# Allegro board pc065c_fibv2_toplevel_28.brd (continued)
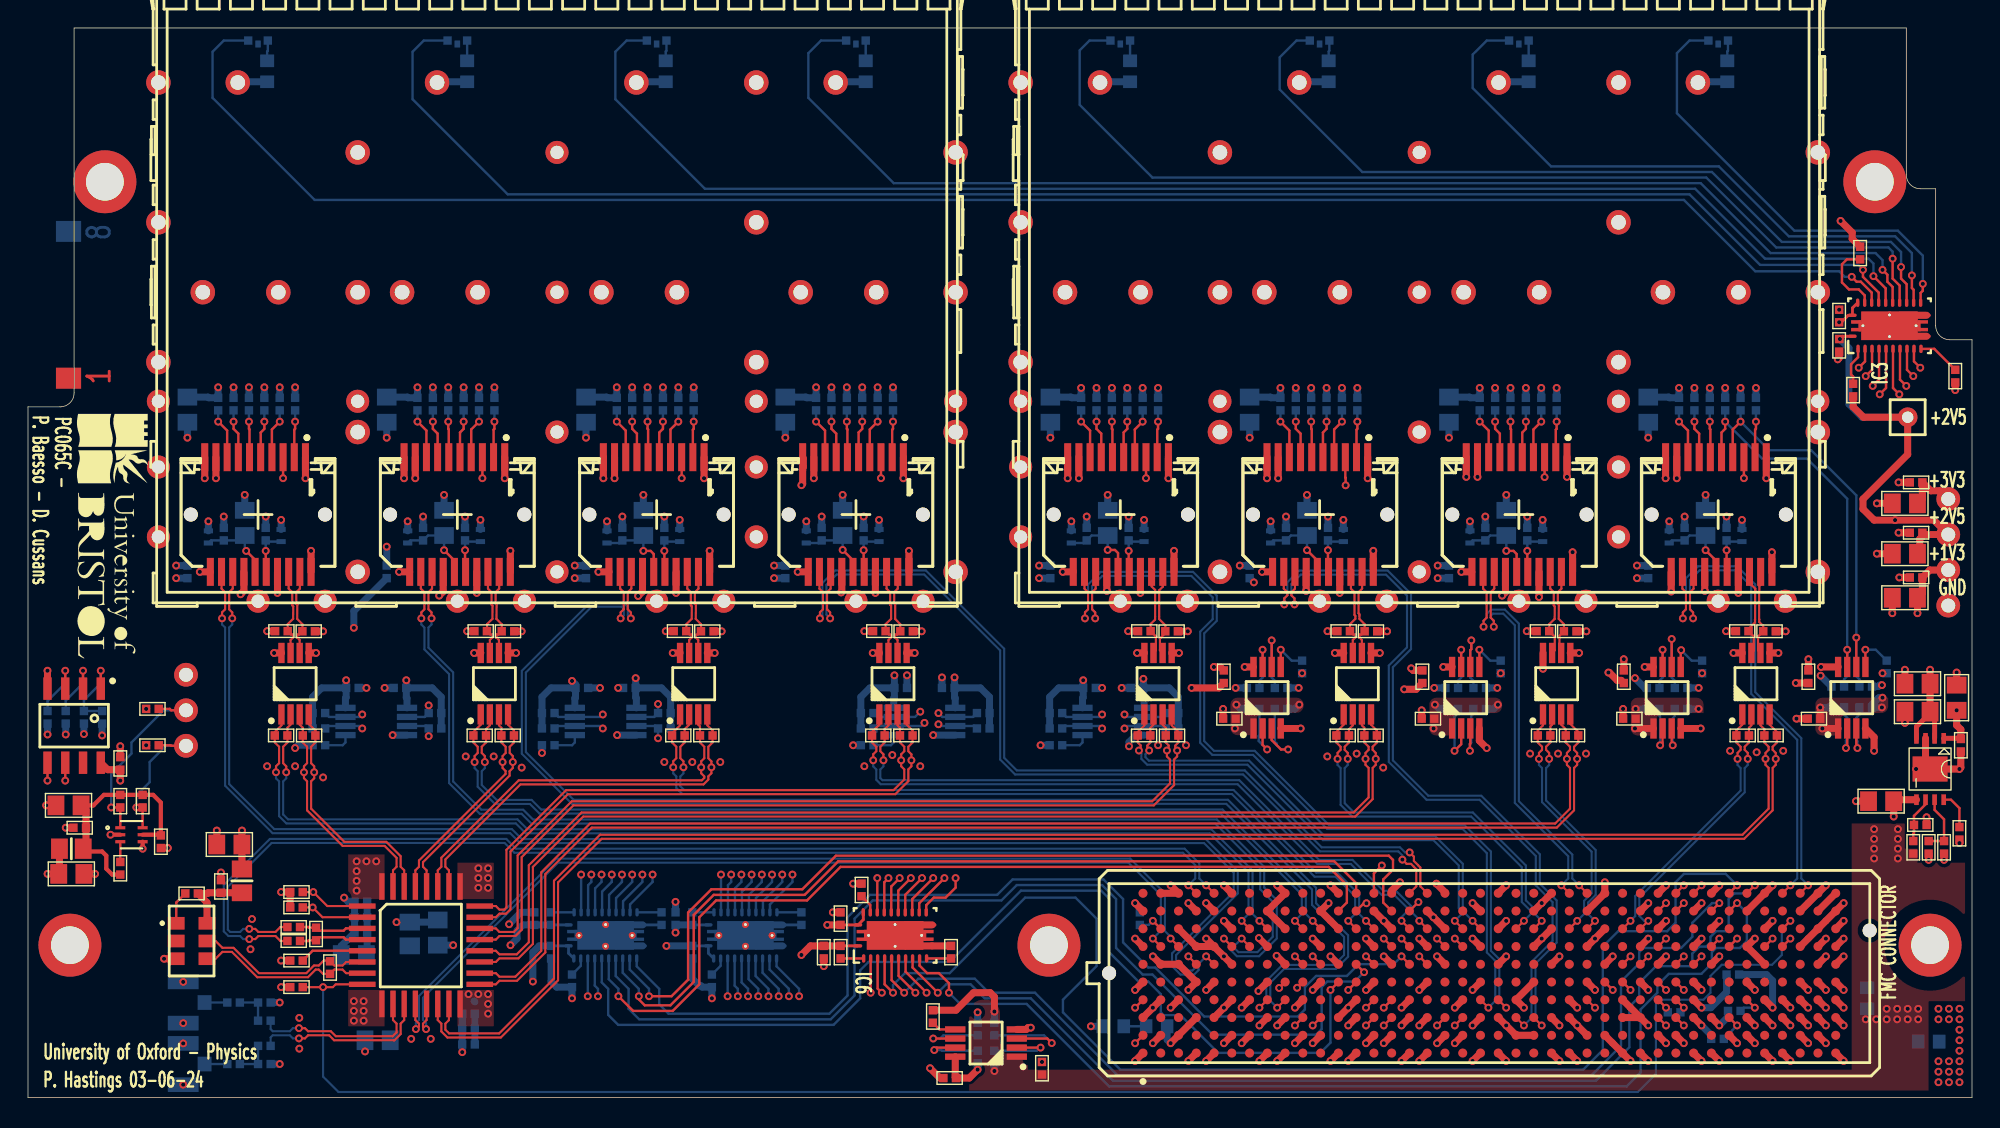
[diagram p0: board, top side]
## Routing (per net, layer and track width the routed paths; a pad name or vN(x,y) marks a point on that pad's centre or on a via; arc(x,y) is an arc through that point) (continued)
SFP_TD_P_1: length 6.4
  TOP w0.15: J12.18 32.89,36.4 33.15,36.14 33.15,35.26 33.22,35.18 33.21,34.24 32.83,33.86 R34.1 33.06,33.12 33.2,33.12 33.2,32.91 33.02,32.73 U4.7
SFP_TD_P_2: length 6.4
  TOP w0.15: U5.7 47.27,32.73 47.45,32.91 47.45,33.12 47.31,33.12 R42.1 47.08,33.86 47.46,34.24 47.47,35.14 47.4,35.21 47.4,36.14 47.14,36.4 J16.18
SFP_TD_P_3: length 6.4
  TOP w0.15: J20.18 61.39,36.4 61.65,36.14 61.65,35.24 61.71,35.18 61.71,34.24 61.71,34.24 61.33,33.86 R50.1 61.56,33.12 61.7,33.12 61.7,32.91 61.52,32.73 U6.7
SFP_TD_P_4: length 6.4
  TOP w0.15: U7.7 123.39,31.96 123.39,32.99 R99.1 123.02,33.53 123.48,33.97 123.48,34.19 123.49,34.2 123.49,36.2 123.5,36.22 123.5,36.4 123.09,36.81 J24.18
SFP_TD_P_5: length 6.3
  TOP w0.15: U8.7 109.17,31.99 109.17,32.97 R107.1 108.78,33.86 109.16,34.24 109.16,34.24 109.17,35.12 109.09,35.2 109.09,36.14 108.84,36.4 J28.18
SFP_TD_P_6: length 6.4
  TOP w0.15: U9.7 94.72,32.73 94.91,32.91 94.91,33.12 94.76,33.12 R115.1 94.53,33.86 94.91,34.24 94.91,34.45 94.84,34.52 94.84,36.14 94.59,36.4 J32.18
SFP_TD_P_7: length 6.3
  TOP w0.15: U10.7 80.64,31.97 80.64,32.95 80.6,32.99 80.6,33.03 R123.1 80.28,33.88 80.59,34.19 80.59,34.4 80.59,36.31 80.34,36.56 J36.18
SFP_TX_DISABLE<0>: length 67.7
  TOP w0.17: IC6.21 v1(60.73,15.7) ; J7.3 v1(18.24,44.3)
  L6_SIG w0.17: v1(18.24,44.3) 18.24,42.36 18.8,41.8 18.8,27.7 28,18.5 57.92,18.5 v1(60.73,15.7)
SFP_TX_DISABLE<1>: length 54.6
  TOP w0.17: J12.3 v1(32.49,44.3) ; IC6.20 61.23,15.4 v1(61.52,15.7)
  L6_SIG w0.17: v1(61.52,15.7) 55.83,21.4 38.9,21.4 33.4,26.9 33.4,42.7 32.49,43.61 v1(32.49,44.3)
SFP_TX_DISABLE<2>: length 39.3
  TOP w0.17: J16.3 v1(46.74,44.3) ; v1(62.33,15.7) 61.73,15.1 IC6.19
  L6_SIG w0.17: v1(46.74,44.3) 47.2,43.84 47.2,30.82 v1(62.33,15.7)
SFP_TX_DISABLE<3>: length 37.9
  TOP w0.17: v1(63.12,15.7) 62.23,14.8 IC6.18 ; J20.3 v1(60.99,44.3)
  L6_SIG w0.17: v1(60.99,44.3) 60.99,42.51 64.6,38.9 64.6,37.3 66,35.9 66,32.6 68.1,30.5 68.1,24.2 63.12,19.23 v1(63.12,15.7)
SFP_TX_DISABLE<4>: length 46.4
  TOP w0.17: IC6.17 62.73,14.5 v1(63.92,15.7) ; J36.3 v1(79.94,44.3)
  L6_SIG w0.17: v1(63.92,15.7) 63.92,19.23 68.3,23.6 76.6,23.6 77.6,24.6 77.6,31.3 80.2,33.9 80.2,36.5 78,38.7 78,42.36 v1(79.94,44.3)
SFP_TX_DISABLE<5>: length 58.5
  TOP w0.17: v1(64.72,15.7) 63.23,14.2 IC6.16 ; v1(94.21,43.79) 94.21,44.33 94.19,44.35 J32.3
  L6_SIG w0.17: v1(64.72,15.7) 64.72,19.12 68.8,23.2 89.7,23.2 95.2,28.7 95.2,41.1 94.21,42.09 v1(94.21,43.79)
SFP_TX_DISABLE<6>: length 68.7
  TOP w0.17: v1(65.53,15.7) 63.73,13.9 IC6.15 ; J28.3 v1(108.44,44.38)
  L6_SIG w0.17: v1(65.53,15.7) 65.53,18.93 69.4,22.8 89.9,22.8 97.1,30 104.1,30 105.8,31.7 107.1,31.7 109.4,34 109.4,42.4 108.44,43.36 v1(108.44,44.38)
SFP_TX_DISABLE<7>: length 84.4
  TOP w0.17: IC6.14 64.22,13.76 64.76,14.3 65.61,14.3 66.33,15.02 v1(66.33,15.7) ; J24.3 v1(122.69,44.3)
  L6_SIG w0.17: v1(66.33,15.7) 66.33,18.82 69.9,22.4 90.1,22.4 95.5,27.8 98.4,27.8 99.3,28.7 115.3,28.7 117.5,30.9 123.1,30.9 123.8,31.6 123.8,42.1 122.69,43.21 v1(122.69,44.3)
SFP_TX_DISABLE_FPGA<0>: length 82.3
  TOP w0.17: 117.83,9.54 v1(118.39,10.1) ; IC6.3 v1(60.25,7.5)
  L6_SIG w0.17: v1(118.39,10.1) 118.39,11.2 117.59,12 110.5,12 108.9,10.4 108.9,3.6 106.9,1.6 86.8,1.6 84.9,3.5 84.9,10.3 84.4,10.8 78.5,10.8 78,10.3 76.8,10.3 76.1,9.6 76.1,8.2 75.15,7.25 68.15,7.25 66.9,6 61.75,6 v1(60.25,7.5)
SFP_TX_DISABLE_FPGA<1>: length 90
  TOP w0.17: v1(61.05,7.5) 60.75,7.8 IC6.4 ; 116.56,8.27 v1(117.12,7.7)
  L6_SIG w0.17: v1(61.05,7.5) 62.15,6.4 66.7,6.4 68.3,8 75.3,8 75.7,8.4 75.7,10 76.5,10.8 77.8,10.8 79.1,12.1 85.6,12.1 86.2,11.5 86.2,3.6 87.8,2 106.2,2 107.6,3.4 107.6,12.9 108,13.3 118,13.3 119.1,12.2 119.1,9.68 v1(117.12,7.7)
SFP_TX_DISABLE_FPGA<2>: length 91.6
  TOP w0.17: IC6.5 61.25,8.1 v1(61.85,7.5) ; 121.64,14.62 v1(122.2,15.18)
  BOTTOM w0.17: v1(122.2,15.18) 121.38,16 118.4,16 117.8,15.4 117.8,12.5 117.2,11.9 113.7,11.9 112.6,10.8 112.6,3.4 111.2,2 78.1,2 74,6.1 74,7 76.4,9.4 76.4,12.8 74.9,14.3 71.3,14.3 65.9,8.9 62.7,8.9 61.85,8.05 v1(61.85,7.5)
SFP_TX_DISABLE_FPGA<3>: length 74
  TOP w0.17: v1(62.65,7.5) 61.75,8.4 IC6.6 ; J2.J33 v1(120.93,13.91)
  BOTTOM w0.17: v1(62.65,7.5) 63.65,8.5 67.7,8.5 68.7,7.5 72,7.5 77.9,1.6 111.8,1.6 113.9,3.7 113.9,8.3 115.2,9.6 115.2,10.4 115.5,10.7 118.2,10.7 119,11.5 119,12.5 120.41,13.91 v1(120.93,13.91)
SFP_TX_DISABLE_FPGA<4>: length 88.7
  TOP w0.17: v1(63.45,7.5) 62.25,8.7 IC6.7 ; 119.09,9.54 v1(119.66,10.1)
  L6_SIG w0.17: v1(119.66,10.1) 120.3,10.74 120.3,14.1 119.8,14.6 107.7,14.6 106.4,13.3 106.4,4.7 105,3.3 89,3.3 87.4,4.9 87.4,13.4 86.3,14.5 72.7,14.5 68.7,10.5 68.7,9 66.6,6.9 64.05,6.9 v1(63.45,7.5)
SFP_TX_DISABLE_FPGA<5>: length 94.9
  TOP w0.17: IC6.8 62.75,9 v1(64.25,7.5) ; J2.E31 v1(118.39,7.7)
  L6_SIG w0.17: v1(118.39,7.7) 119.79,9.1 121,9.1 121.6,9.7 121.6,15.5 121.1,16 107.6,16 105,13.4 105,6.1 103.5,4.6 89.1,4.6 88.7,5 88.7,14.63 87.43,15.9 73.53,15.9 68.3,10.67 68.3,9.2 67.2,8.1 64.85,8.1 v1(64.25,7.5)
SFP_TX_DISABLE_FPGA<6>: length 75.5
  TOP w0.17: 122.91,14.62 v1(123.47,15.18) ; IC6.9 63.25,9.3 v1(65.05,7.5)
  BOTTOM w0.17: v1(123.47,15.18) 122.89,14.6 122,14.6 121.6,14.2 121.6,12.1 121.4,11.9 120.7,11.9 120.3,11.5 120.3,11.1 120,10.8 119.5,10.8 119,10.3 119,9.6 118.8,9.4 116.4,9.4 115.2,8.2 115.2,7.2 114.5,6.5 114.5,3.6 112.1,1.2 77.6,1.2 71.7,7.1 68.4,7.1 67.4,8.1 65.65,8.1 v1(65.05,7.5)
SFP_TX_DISABLE_FPGA<7>: length 75.2
  TOP w0.17: v1(65.85,7.5) 65.85,8.18 65.13,8.9 64.29,8.9 63.75,9.44 IC6.10 ; 121.64,13.35 v1(122.2,13.91)
  BOTTOM w0.17: v1(122.2,13.91) 122.9,13.21 122.9,11.2 122.4,10.7 120.7,10.7 120.4,10.4 120.4,9.6 119.65,8.85 117.32,8.85 116.5,8.03 116.5,7.5 115.3,6.3 115.3,1.8 114.3,0.8 77.3,0.8 71.4,6.7 66.65,6.7 v1(65.85,7.5)
TD_FFD_N<0>: length 83.1
  TOP w0.15: v1(18.46,23.27) 18.46,23.7 18.25,23.92 18.25,25.09 18.55,25.4 R1.2 18.55,26.45 18.77,26.68 U3.2 ; J2.H8 v1(88.05,12.64)
  BOTTOM w0.15: v1(18.46,23.27) 18.46,22.83 18.25,22.61 18.25,20.25 18.59,19.9 35,19.9 35.71,19.19 84.61,19.19 87.56,16.24 87.56,13.13 v1(88.05,12.64)
TD_FFD_N<1>: length 70.6
  TOP w0.15: J2.H11 v1(91.86,12.64) ; U4.2 33.02,26.62 32.75,26.35 R187.2 32.75,25.4 32.45,25.09 32.45,24.65 32.66,24.43 v1(32.66,24)
  BOTTOM w0.15: v1(32.66,24) 32.66,23.56 32.45,23.34 32.45,22.36 33.51,21.29 36.01,21.29 36.7,20.6 85.41,20.6 91.37,14.64 91.37,13.13 v1(91.86,12.64)
TD_FFD_N<2>: length 60.2
  TOP w0.15: J2.H14 v1(95.67,12.64) ; U5.2 47.27,26.68 46.95,26.35 R189.2 46.95,25.4 46.65,25.09 46.65,24.27 46.87,24.05 v1(46.87,23.62)
  BOTTOM w0.15: v1(95.67,12.64) 95.18,13.13 95.18,14.52 93.61,16.09 92.11,16.09 86.2,22 46.91,22 46.65,22.27 46.65,22.97 46.87,23.19 v1(46.87,23.62)
TD_FFD_N<3>: length 48.8
  TOP w0.15: v1(61.16,24.12) 61.16,24.55 60.95,24.77 60.95,25.09 61.25,25.4 R191.2 61.25,26.35 61.52,26.62 U6.2 ; J2.H17 v1(99.48,12.64)
  BOTTOM w0.15: v1(61.16,24.12) 61.16,23.69 60.95,23.47 60.95,22.85 61.09,22.7 86.61,22.7 92.31,17 94.7,17 96.91,14.79 97.81,14.79 98.9,13.7 98.9,13.3 99.48,12.72 v1(99.48,12.64)
TD_FFD_N<4>: length 34.4
  TOP w0.15: v1(80.17,24.82) 80.03,24.96 80.03,25.18 80.25,25.4 R199.2 80.25,26.45 80.47,26.68 U10.2 ; 103.86,12.07 v1(103.29,12.64)
  BOTTOM w0.15: v1(103.29,12.64) 102.8,13.13 102.8,13.46 102.59,13.67 102.59,16.72 100.61,18.7 92.71,18.7 87.31,24.1 80.14,24.1 79.9,24.34 79.9,24.56 v1(80.17,24.82)
TD_FFD_N<5>: length 26.8
  TOP w0.15: J2.H23 v1(108.23,12.64) ; v1(94.36,24.22) 94.36,24.65 94.14,24.87 94.14,25.09 94.45,25.4 R197.2 94.45,26.35 94.72,26.62 U9.2
  BOTTOM w0.15: v1(94.36,24.22) 94.36,23.79 94.14,23.57 94.14,21.06 94.81,20.39 103.31,20.39 107.1,16.6 107.1,14.11 107.74,13.46 107.74,13.13 v1(108.23,12.64)
TD_FFD_N<6>: length 17.8
  TOP w0.15: v1(108.77,24.22) 108.77,24.65 108.55,24.87 108.55,25.09 108.85,25.4 R195.2 108.85,26.55 108.97,26.68 U8.2 ; J2.H26 v1(112.04,12.64)
  BOTTOM w0.15: v1(112.04,12.64) 111.55,13.13 111.55,13.95 112.09,14.49 112.09,17.71 108.55,21.25 108.55,23.57 108.77,23.79 v1(108.77,24.22)
TD_FFD_N<7>: length 19.5
  TOP w0.15: U7.2 123.22,26.62 123.05,26.45 R193.2 123.05,25.4 122.75,25.09 122.75,24.87 122.97,24.65 v1(122.97,24.22) ; J2.H29 v1(115.85,12.64)
  BOTTOM w0.15: v1(122.97,24.22) 122.97,23.79 122.75,23.57 122.75,21.83 115.21,14.3 115.21,12.99 115.56,12.64 v1(115.85,12.64)
TD_FFD_P<0>: length 83.2
  TOP w0.15: v1(17.73,23.27) 17.73,23.7 17.95,23.92 17.95,25.09 17.65,25.4 R1.1 17.65,26.15 18.12,26.62 U3.1 ; J2.H7 v1(86.78,12.64)
  BOTTOM w0.15: v1(17.73,23.27) 17.73,22.83 17.95,22.61 17.95,20.13 18.47,19.61 34.88,19.61 35.59,18.9 84.49,18.9 87.27,16.12 87.27,13.13 v1(86.78,12.64)
TD_FFD_P<1>: length 70.7
  TOP w0.15: U4.1 32.38,26.68 31.85,26.15 R187.1 31.85,25.4 32.16,25.09 32.16,24.65 31.93,24.43 v1(31.93,24) ; J2.H10 v1(90.59,12.64)
  BOTTOM w0.15: v1(31.93,24) 31.93,23.56 32.16,23.34 32.16,22.23 33.39,21 35.89,21 36.58,20.31 85.29,20.31 91.08,14.52 91.08,13.13 v1(90.59,12.64)
TD_FFD_P<2>: length 60.3
  TOP w0.15: v1(46.13,23.62) 46.13,24.05 46.35,24.27 46.35,25.09 46.05,25.4 R189.1 46.05,26.05 46.62,26.62 U5.1 ; J2.H13 v1(94.4,12.64)
  BOTTOM w0.15: v1(94.4,12.64) 94.89,13.13 94.89,14.4 93.49,15.8 91.99,15.8 86.08,21.71 46.79,21.71 46.35,22.15 46.35,22.97 46.13,23.19 v1(46.13,23.62)
TD_FFD_P<3>: length 48.8
  TOP w0.15: U6.1 60.88,26.68 60.35,26.15 R191.1 60.35,25.4 60.66,25.09 60.66,24.77 60.44,24.55 v1(60.44,24.12) ; 98.78,12.07 v1(98.21,12.64)
  BOTTOM w0.15: v1(98.21,12.64) 98.21,12.91 98.61,13.31 98.61,13.58 97.69,14.5 96.79,14.5 94.58,16.71 92.19,16.71 86.49,22.41 60.97,22.41 60.66,22.73 60.66,23.47 60.44,23.69 v1(60.44,24.12)
TD_FFD_P<4>: length 34.5
  TOP w0.15: U10.1 79.83,26.62 79.35,26.15 R199.1 79.35,25.4 79.56,25.19 79.56,24.98 79.44,24.85 v1(79.44,24.82) ; J2.H19 v1(102.02,12.64)
  BOTTOM w0.15: v1(102.02,12.64) 102.51,13.13 102.51,13.34 102.3,13.55 102.3,16.6 100.49,18.41 92.59,18.41 87.19,23.81 80.02,23.81 79.61,24.22 79.61,24.6 79.44,24.77 v1(79.44,24.82)
TD_FFD_P<5>: length 26.9
  TOP w0.15: J2.H22 v1(106.96,12.64) ; v1(93.64,24.22) 93.64,24.65 93.86,24.87 93.86,25.09 93.55,25.4 R197.1 93.55,26.15 94.08,26.68 U9.1
  BOTTOM w0.15: v1(106.96,12.64) 107.45,13.13 107.45,13.34 106.81,13.98 106.81,16.48 103.19,20.1 94.69,20.1 93.86,20.93 93.86,23.57 93.64,23.79 v1(93.64,24.22)
TD_FFD_P<6>: length 17.9
  TOP w0.15: J2.H25 v1(110.77,12.64) ; U8.1 108.33,26.62 107.95,26.25 R195.1 107.95,25.4 108.25,25.09 108.25,24.87 108.03,24.65 v1(108.03,24.22)
  BOTTOM w0.15: v1(110.77,12.64) 111.26,13.13 111.26,14.07 111.8,14.61 111.8,17.59 108.25,21.13 108.25,23.57 108.03,23.79 v1(108.03,24.22)
TD_FFD_P<7>: length 19.3
  TOP w0.15: J2.H28 v1(114.58,12.64) ; U7.1 122.58,26.68 122.15,26.25 R193.1 122.15,25.4 122.45,25.09 122.45,24.87 122.23,24.65 v1(122.23,24.22)
  BOTTOM w0.15: v1(122.23,24.22) 122.23,23.79 122.45,23.57 122.45,21.95 114.92,14.42 114.92,12.98 v1(114.58,12.64)
TEMP_ALERT: length 1.4
  TOP w0.17: IC2.3 R11.1
UNNAMED_1_CAPCERSMDCL2_I31_B: length 5.7
  TOP w0.17: J7.15 16.24,38.46 v1(15.6,39.1)
  BOTTOM w0.17: v1(15.6,39.1) 15.5,39.2 C34.2 15.15,39.85 C35.2 13.09,39.85 L5.1
UNNAMED_1_CAPCERSMDCL2_I31_B_1: length 5.7
  TOP w0.17: J12.15 30.49,38.41 v1(29.75,39.15)
  BOTTOM w0.17: v1(29.75,39.15) C43.2 28.6,40.2 C44.2 27.34,39.85 L7.1
UNNAMED_1_CAPCERSMDCL2_I31_B_2: length 6
  TOP w0.17: v1(44,39.1) 44.52,39.1 44.74,38.88 J16.15
  BOTTOM w0.17: v1(44,39.1) C48.2 43.65,39.85 C49.2 42.31,39.66 L9.1
UNNAMED_1_CAPCERSMDCL2_I31_B_3: length 5.7
  TOP w0.17: v1(58.25,39.17) 58.99,38.43 J20.15
  BOTTOM w0.17: L11.1 56.56,39.66 C54.2 57.9,39.85 C53.2 v1(58.25,39.17)
UNNAMED_1_CAPCERSMDCL2_I31_B_4: length 5.7
  TOP w0.17: v1(119.95,39.15) 120.69,38.41 J24.15
  BOTTOM w0.17: L13.1 117.53,39.85 C63.2 118.8,40.2 C62.2 v1(119.95,39.15)
UNNAMED_1_CAPCERSMDCL2_I31_B_5: length 6
  TOP w0.17: v1(105.7,39.1) 106.22,39.1 106.44,38.88 J28.15
  BOTTOM w0.17: v1(105.7,39.1) C67.2 104.55,40.2 C68.2 103.28,39.85 L15.1
UNNAMED_1_CAPCERSMDCL2_I31_B_6: length 5.7
  TOP w0.17: v1(91.45,39.15) 92.19,38.41 J32.15
  BOTTOM w0.17: v1(91.45,39.15) C72.2 90.3,40.2 C73.2 89.03,39.85 L17.1
UNNAMED_1_CAPCERSMDCL2_I31_B_7: length 6
  TOP w0.17: v1(77.2,39.17) 77.72,39.17 77.94,38.95 J36.15
  BOTTOM w0.17: L19.1 75.52,39.66 C78.2 76.05,40.2 C77.2 v1(77.2,39.17)
UNNAMED_1_CAPCERSMDCL2_I35_B: length 3.4
  TOP w0.17: J7.16 17,37.64 v1(17,39.1)
  BOTTOM w0.17: v1(17,39.1) C33.2 17.09,39.77 L4.2
UNNAMED_1_CAPCERSMDCL2_I35_B_1: length 3.4
  TOP w0.17: v1(31.25,39.15) 31.25,37.64 J12.16
  BOTTOM w0.17: v1(31.25,39.15) C42.2 31.34,39.77 L6.2
UNNAMED_1_CAPCERSMDCL2_I35_B_2: length 3.4
  TOP w0.17: J16.16 45.5,37.64 v1(45.5,39.1)
  BOTTOM w0.17: L8.2 45.59,39.77 C47.2 v1(45.5,39.1)
UNNAMED_1_CAPCERSMDCL2_I35_B_3: length 3.4
  TOP w0.17: v1(59.75,39.15) 59.75,37.64 J20.16
  BOTTOM w0.17: L10.2 59.84,39.77 C52.2 v1(59.75,39.15)
UNNAMED_1_CAPCERSMDCL2_I35_B_4: length 3.4
  TOP w0.17: v1(121.45,39.15) 121.45,37.64 J24.16
  BOTTOM w0.17: L12.2 121.53,39.77 C61.2 v1(121.45,39.15)
UNNAMED_1_CAPCERSMDCL2_I35_B_5: length 3.4
  TOP w0.17: v1(107.2,39.1) 107.2,37.64 J28.16
  BOTTOM w0.17: v1(107.2,39.1) C66.2 107.28,39.77 L14.2
UNNAMED_1_CAPCERSMDCL2_I35_B_6: length 3.4
  TOP w0.17: v1(92.95,39.15) 92.95,37.64 J32.16
  BOTTOM w0.17: L16.2 93.03,39.77 C71.2 v1(92.95,39.15)
UNNAMED_1_CAPCERSMDCL2_I35_B_7: length 3.4
  TOP w0.17: J36.16 78.7,37.64 v1(78.7,39.1)
  BOTTOM w0.17: L18.2 78.78,39.77 C76.2 v1(78.7,39.1)
UNNAMED_1_CON20PSFP_I19_RATES_1: length 3.5
  TOP w0.17: v1(28.95,48.34) 28.95,47.83 29.29,47.49 J12.7
  BOTTOM w0.17: R41.1 v1(28.95,48.34)
UNNAMED_1_CON20PSFP_I19_RATES_2: length 3.5
  TOP w0.17: v1(43.2,48.34) 43.2,47.83 43.54,47.49 J16.7
  BOTTOM w0.17: R49.1 v1(43.2,48.34)
UNNAMED_1_CON20PSFP_I19_RATES_3: length 3.5
  TOP w0.17: v1(57.45,48.34) 57.45,47.83 57.79,47.49 J20.7
  BOTTOM w0.17: R57.1 v1(57.45,48.34)
UNNAMED_1_CON20PSFP_I19_RATES_4: length 3.5
  TOP w0.17: J24.7 119.49,47.49 119.15,47.83 v1(119.15,48.34)
  BOTTOM w0.17: R106.1 v1(119.15,48.34)
UNNAMED_1_CON20PSFP_I19_RATES_5: length 3.5
  TOP w0.17: v1(104.9,48.34) 104.9,47.83 105.24,47.49 J28.7
  BOTTOM w0.17: R114.1 v1(104.9,48.34)
UNNAMED_1_CON20PSFP_I19_RATES_6: length 3.5
  TOP w0.17: v1(90.65,48.34) 90.65,47.83 90.99,47.49 J32.7
  BOTTOM w0.17: R122.1 v1(90.65,48.34)
UNNAMED_1_CON20PSFP_I19_RATES_7: length 3.5
  TOP w0.17: v1(76.4,48.34) 76.4,47.83 76.74,47.49 J36.7
  BOTTOM w0.17: R130.1 v1(76.4,48.34)
UNNAMED_1_CON20PSFP_I19_RATESEL: length 3.5
  TOP w0.17: v1(14.7,48.34) 14.7,47.83 15.04,47.49 J7.7
  BOTTOM w0.17: R29.1 v1(14.7,48.34)
UNNAMED_1_RSMD0402_I7_B: length 1.8
  TOP w0.17: R133.2 65.17,4.88 IC11.5
UNNAMED_1_RSMD0402_I7_B_1: length 2.1
  BOTTOM w0.17: IC12.5 22.7,25.4 22.5,25.2 R138.2
UNNAMED_1_RSMD0402_I7_B_2: length 2.1
  BOTTOM w0.17: IC14.5 39.1,25.4 38.9,25.2 R143.2
UNNAMED_1_RSMD0402_I7_B_3: length 2.1
  BOTTOM w0.17: R148.2 61.7,25.2 61.9,25.4 IC15.5
UNNAMED_1_RSMD0402_I7_B_4: length 2.1
  BOTTOM w0.17: IC16.5 75.4,25.4 75.2,25.2 R153.2
UNNAMED_1_RSMD0402_I7_B_5: length 3.1
  TOP w0.17: 89.58,30.8 v1(89.58,32.03)
  BOTTOM w0.17: v1(89.58,32.03) 90.36,31.25 R158.2
UNNAMED_1_RSMD0402_I7_B_6: length 3.1
  TOP w0.17: 103.78,30.8 v1(103.78,32.03)
  BOTTOM w0.17: R163.2 104.56,31.25 v1(103.78,32.03)
UNNAMED_1_RSMD0402_I7_B_7: length 3
  TOP w0.17: v1(118.2,32) 118.17,31.98 IC19.5
  BOTTOM w0.17: R168.2 118.95,31.25 v1(118.2,32)
UNNAMED_1_RSMD0402_I7_B_8: length 3.1
  TOP w0.17: IC20.5 v1(131.38,32.03)
  BOTTOM w0.17: v1(131.38,32.03) 132.12,32.03 R173.2
UNNAMED_4_FMCHPCGENERIC_I62_GA0: length 2.2
  TOP w0.17: 121.64,5.72 v1(122.2,5.16)
  BOTTOM w0.17: R16.2 121.85,4.8 121.85,4.8 v1(122.2,5.16)
UNNAMED_4_FMCHPCGENERIC_I62_GA1: length 1.9
  TOP w0.17: 122.91,7 v1(123.47,6.43)
  BOTTOM w0.17: v1(123.47,6.43) 122.68,6.43 R20.2
UNNAMED_4_FMCHPCGENERIC_I62_TDI: length 1.2
  TOP w0.17: 116.56,7 v1(117.12,6.43)
  BOTTOM w0.17: v1(117.12,6.43) 117.25,6.3 R65.1
UNNAMED_4_FMCHPCGENERIC_I62_TDO: length 1.2
  TOP w0.17: 117.83,7 v1(118.39,6.43)
  BOTTOM w0.17: R65.2 118.15,6.19 v1(118.39,6.43)
UNNAMED_5_24AA025E48_I9_A0: length 6
  TOP w0.17: IC1.1 v1(5.21,30.53)
  BOTTOM w0.17: R201.1 R202.1 4,28.43 5.21,29.63 v1(5.21,30.53)
UNNAMED_5_24AA025E48_I9_A1: length 4.7
  TOP w0.17: 3.94,29.25 v1(3.94,30.53)
  BOTTOM w0.17: v1(3.94,30.53) 3.94,29.63 2.7,28.39 R204.1
UNNAMED_5_24AA025E48_I9_A2: length 4.7
  TOP w0.17: IC1.3 v1(2.67,30.53)
  BOTTOM w0.17: R203.1 1.4,28.36 2.67,29.63 v1(2.67,30.53)
UNNAMED_7_CAPCERSMDCL2_I28_B: length 2.7
  TOP w0.17: C101.2 138.1,20.7 137.5,21.3 U11.8
UNNAMED_7_MP20075REG_I17_EN: length 4.3
  TOP w0.17: U11.7 136.32,20.57 137,19.9 R62.2 R182.2
UNNAMED_7_MP20075REG_I17_REF: length 3.3
  TOP w0.17: R183.2 134.8,18.86 134.85,18.91 C19.2 134.85,20.15 135.68,20.98 U11.6
UNNAMED_8_CAPCERSMDCL2_I154_B: length 2.6
  BOTTOM w0.17: C30.2 R12.2 R18.1
UNNAMED_8_CAPCERSMDCL2_I158_B: length 2.6
  BOTTOM w0.17: C121.2 R17.2 R19.1
UNNAMED_8_CAPCERSMDCL2_I167_A: length 4.6
  TOP w0.17: C16.1 20.04,12.2 20.09,12.15 R2.1 20.82,11.94 22.57,11.94 22.73,12.1 U1.3
UNNAMED_8_CAPCERSMDCL2_I168_B: length 4.6
  TOP w0.17: C18.2 20.04,11.2 20.09,11.25 R2.2 20.82,11.46 22.57,11.46 22.73,11.3 U1.4
UNNAMED_8_PCOAX_I121_A: length 1.6
  BOTTOM w0.17: R18.2 PX3.1
UNNAMED_8_PCOAX_I155_A: length 1.6
  BOTTOM w0.17: R19.2 PX4.1
UNNAMED_8_RSMD0402_I172_B: length 2.4
  TOP w0.17: QZ1.1 10.6,13.95 R3.2
UNNAMED_13_RSMD0402_I94_B: length 2.8
  TOP w0.17: R66.2 130.5,51.56 130.35,51.71 130.35,52.45 130.85,52.95 IC3.2
UNNAMED_13_RSMD0402_I95_B: length 3.1
  TOP w0.17: IC3.11 136.3,53.55 R67.2
UNNAMED_13_RSMD0402_I96_B: length 5.3
  TOP w0.17: IC3.22 131.32,57.38 130.9,57.8 130.2,57.8 129.7,58.3 129.7,59.6 130.05,59.95 R68.2
UNNAMED_13_RSMD0402_I126_B: length 1.6
  BOTTOM w0.17: IC4.2 R31.2
UNNAMED_13_RSMD0402_I127_B: length 1.8
  BOTTOM w0.17: IC4.11 R32.2
UNNAMED_13_RSMD0402_I128_B: length 1.4
  BOTTOM w0.17: R69.2 39.52,9.43 IC4.22
UNNAMED_13_RSMD0402_I147_B: length 1.5
  BOTTOM w0.17: IC5.2 R70.2
UNNAMED_13_RSMD0402_I148_B: length 1.8
  BOTTOM w0.17: R71.2 IC5.11
UNNAMED_13_RSMD0402_I149_B: length 1.4
  BOTTOM w0.17: IC5.22 49.52,9.43 R72.2
UNNAMED_13_RSMD0402_I168_B: length 1.6
  TOP w0.17: R73.2 IC6.2
UNNAMED_13_RSMD0402_I169_B: length 1.8
  TOP w0.17: R74.2 IC6.11
UNNAMED_13_RSMD0402_I170_B: length 1.4
  TOP w0.17: R75.2 60.23,13.78 IC6.22
UNNAMED_13_RSMD0603_I76_A: length 1.5
  BOTTOM w0.17: DS1.1 17.15,74.87 17.1,74.82 R30.1
UNNAMED_13_RSMD0603_I77_A: length 1.4
  BOTTOM w0.17: DS2.1 R33.1
UNNAMED_13_RSMD0603_I78_A: length 1.5
  BOTTOM w0.17: R58.1 45.6,74.82 45.65,74.87 DS3.1
UNNAMED_13_RSMD0603_I79_A: length 1.4
  BOTTOM w0.17: DS4.1 R59.1
UNNAMED_13_RSMD0603_I80_A: length 1.4
  BOTTOM w0.17: DS5.1 R60.1
UNNAMED_13_RSMD0603_I81_A: length 1.5
  BOTTOM w0.17: R61.1 93,74.82 93.05,74.87 DS6.1
UNNAMED_13_RSMD0603_I82_A: length 1.4
  BOTTOM w0.17: DS7.1 R63.1
UNNAMED_13_RSMD0603_I83_A: length 1.5
  BOTTOM w0.17: DS8.1 121.55,74.87 121.5,74.82 R64.1
VADJ: length 3.2
  TOP w0.5: 129.25,12.07 v1(129.82,12.64) ; J2.G39 v1(128.55,11.37) ; 129.25,9.54 v1(129.82,10.1) ; J2.E39 v1(128.55,7.7)
VIO_B_M2C: length 1.8
  TOP w0.5: J2.J39 129.25,14.62

## Copper pours and planes (outline as drawn; the poured copper is in the pictures)
GND on TOP: 30.7,16.8 30.7,14.2 33.3,14.2 33.3,16.8
GND on TOP: 22.9,7.7 22.9,5.1 25.5,5.1 25.5,7.7
GND on L2_GND, L7_GND: 3.8,76 133.8,76 133.8,66 134.24,64.94 135.3,64.5 135.9,64.5 135.9,55.2 136.34,54.14 137.4,53.7 138.7,53.7 138.7,0.3 0.3,0.3 0.3,48.9 2.3,48.9 3.36,49.34 3.8,50.4 3.8,50.7 6.1,50.7 6.1,62.7 3.8,62.7
P1V3 on L5_PWR: 3.8,76 133.8,76 133.8,66 134.24,64.94 135.3,64.5 135.9,64.5 135.9,55.2 136.34,54.14 137.4,53.7 138.5,53.7 138.5,0.5 0.5,0.5 0.5,48.9 2.3,48.9 3.36,49.34 3.8,50.4 3.8,50.7 6.1,50.7 6.1,62.7 3.8,62.7
P2V5 on TOP: 105.4,28.1 105.25,28.45 104.9,28.6 100.7,28.6 100.35,28.45 100.2,28.1 100.2,26.4 100.35,26.05 100.7,25.9 101.6,25.9 101.95,26.05 102.1,26.4 102.1,27 102.25,27.35 102.6,27.5 104.9,27.5 105.25,27.65 105.4,28
P2V5 on TOP: 130.4,19.6 134.2,19.6 134.2,17.8 135.1,17.8 135.1,16.8 138.5,16.8 138.5,6.9 135.9,6.9 135.9,0.5 67.3,0.5 67.3,6 67.59,6.71 68.3,7 68.5,7 69.21,6.71 69.5,6 69.5,4.2 69.79,3.49 70.5,3.2 71.1,3.2 71.1,2.8 71.21,2.48 71.5,2.31 71.5,2 130.4,2
P2V5 on TOP: 91.2,28.1 91.05,28.45 90.7,28.6 86.48,28.6 86.13,28.45 85.98,28.1 85.98,26.42 86.13,26.07 86.48,25.92 87.38,25.92 87.74,26.07 87.88,26.42 87.88,27.02 88.03,27.38 88.38,27.52 90.7,27.52 91.05,27.67 91.2,28.02
P2V5 on BOTTOM: 25.7,14.1 25.7,11.9 30.4,11.9 30.4,14.1
P2V5 on BOTTOM: 130.8,6.9 130.8,5.1 135.7,5.1 135.7,6.9
P2V5 on L5_PWR: 131.6,47 132.48,49.12 134.6,50 135.3,50 135.3,36.9 133.9,36.9 133.9,33 135.3,33 135.3,15.7 57.3,15.7 57.3,14.4 55.8,12.9 55.8,9.3 54.7,9.3 54.7,15.7 47.1,15.7 47.1,10.2 45.2,10.2 45.2,15.7 36.8,15.7 36.8,7.3 35.6,7.3 35.6,15.7 28.8,15.7 28.8,11.8 24.5,11.8 24.5,15.7 17.9,15.7 17.9,30.6 32.9,30.6 32.9,19.5 36.3,19.5 36.3,31 44,31 44,19.5 57,19.5 57,31.6 67.5,31.6 67.5,19.5 71.3,19.5 71.3,31.2 80.9,31.2 80.9,19.5 85.6,19.5 85.6,31.1 92.2,31.1 92.2,19.5 99.9,19.5 99.9,31.4 107.6,31.4 107.6,19.5 113.9,19.5 113.9,30.6 120.8,30.6 120.8,19.5 131.6,19.5 131.6,25.8 126.5,25.8 126.5,29.7 131.6,29.7
P2V5_FILT on TOP: 30.7,7.7 33.3,7.7 33.3,5.1 30.7,5.1
P2V5_FILT on TOP: 22.9,17.4 22.9,14.2 25.5,14.2 25.5,17.4
P2V5_FILT on BOTTOM: 22.9,17.4 25.4,17.4 25.4,11.7 25.6,11.5 28.1,11.5 28.1,10.2 26.8,8.4 26.8,2.9 27.1,2.6 31.1,2.6 31.4,2.9 31.4,4.6 30.7,4.6 30.7,7.7 33.7,7.7 33.7,1.3 25.5,1.3 25.1,1.7 25.1,7.6 23.6,9.4 23.6,10.9 23.9,11.4 23.9,14.2 22.9,14.2
P3V3 on BOTTOM: 136.1,0.5 138.5,0.5 138.5,6.9 136.1,6.9
P3V3 on L4_PWR: 3.8,76 133.8,76 133.8,66 134.24,64.94 135.3,64.5 135.9,64.5 135.9,55.2 136.34,54.14 137.4,53.7 138.5,53.7 138.5,0.5 0.5,0.5 0.5,48.9 2.3,48.9 3.36,49.34 3.8,50.4 3.8,50.7 6.1,50.7 6.1,62.7 3.8,62.7
FMC_3P3V on BOTTOM: 123,6.9 130.6,6.9 130.6,4.9 135.7,4.9 135.7,0.5 123,0.5
Net_100 on L7_GND (solid shape): 3.8,59.7 2,59.7 2,61.2 3.8,61.2
Net_101 on L6_SIG (solid shape): 3.8,58.2 2,58.2 2,59.7 3.8,59.7
Net_102 on L5_PWR (solid shape): 3.8,56.7 2,56.7 2,58.2 3.8,58.2
Net_103 on L4_PWR (solid shape): 3.8,55.2 2,55.2 2,56.7 3.8,56.7
Net_104 on L3_SIG (solid shape): 3.8,53.7 2,53.7 2,55.2 3.8,55.2
Net_105 on L2_GND (solid shape): 3.8,52.2 2,52.2 2,53.7 3.8,53.7
Net_106 on TOP (solid shape): 3.8,50.7 2,50.7 2,52.2 3.8,52.2
Net_107 on BOTTOM (solid shape): 3.8,61.2 2,61.2 2,62.7 3.8,62.7
VADJ on BOTTOM: 134.1,46.5 134.39,47.21 135.1,47.5 138.5,47.5 138.5,7.3 127.4,7.3 127.4,13.3 131.1,16.8 134.1,16.8
P2V5 on TOP: 133,28.6 128.3,28.6 127.95,28.45 127.8,28.1 127.8,26.4 127.95,26.05 128.3,25.9 129.2,25.9 129.55,26.05 129.7,26.4 129.7,27 129.85,27.35 130.2,27.5 132.5,27.5 132.85,27.65 133,28
P2V5 on TOP: 119.8,28.1 119.65,28.45 119.3,28.6 115.1,28.6 114.75,28.45 114.6,28.1 114.6,26.4 114.75,26.05 115.1,25.9 116,25.9 116.35,26.05 116.5,26.4 116.5,27 116.65,27.35 117,27.5 119.8,27.5

Small or netless copper shapes (teardrops, artwork), in the pictures only: 12 on TOP, 12 on BOTTOM

## Text on the board
BOTTOM: 8
Ref Des/Silkscreen Bottom: GND | SCL | SDA | +2V5 | +3V3 | +1V3 | I2C BUS | TD_FFD<0> | CLK_MAIN<0> | TD_FFD<1> | CLK_MAIN<1> | TD_FFD<2> | CLK_MAIN<2> | TD_FFD<3> | CLK_MAIN<3> | TD_FFD<4> | CLK_MAIN<4> | TD_FFD<5> | CLK_MAIN<5> | TD_FFD<6> | CLK_MAIN<6> | TD_FFD<7> | CLK_MAIN<7> | P. Baesso - D. Cussans | PC065C - | 0 | 1 | 2 | 3 | 4 | 5 | 6 | 7
User.Comments: PIN A1 REF. | Paolo Baesso, May 2020, David Cussans, July 2023 | pc065b | SECOND CONNECTOR | (OPTIONAL) | PRIMARY CONNECTOR
TOP: 1
Ref Des/Silkscreen Top: University of Oxford - Physics | P. Hastings 03-06-24 | +3V3 | +2V5 | +1V3 | GND | FMC CONNECTOR | P. Baesso - D. Cussans | PC065C -
L2_GND: 2
L3_SIG: 3
L4_PWR: 4
L5_PWR: 5
L6_SIG: 6
L7_GND: 7
DIMENSION: INPUT 1
COMPVAL_TYPE_TOP: FIGURE | FINISHED_SIZE | 0.3 | 0.8128 | 0.95 | 1.0 | 1.05 | 2.7 | 1.3005 | 1.55 | DRILL CHART: TOP to BOTTOM | ALL UNITS ARE IN MILLIMETERS | PLATED | NON-PLATED | QTY | 1156 | 2 | 40 | 13 | 52 | 5 | 16
